# Altium PCB tesis.PcbDoc (part 2 of 3) (continued)
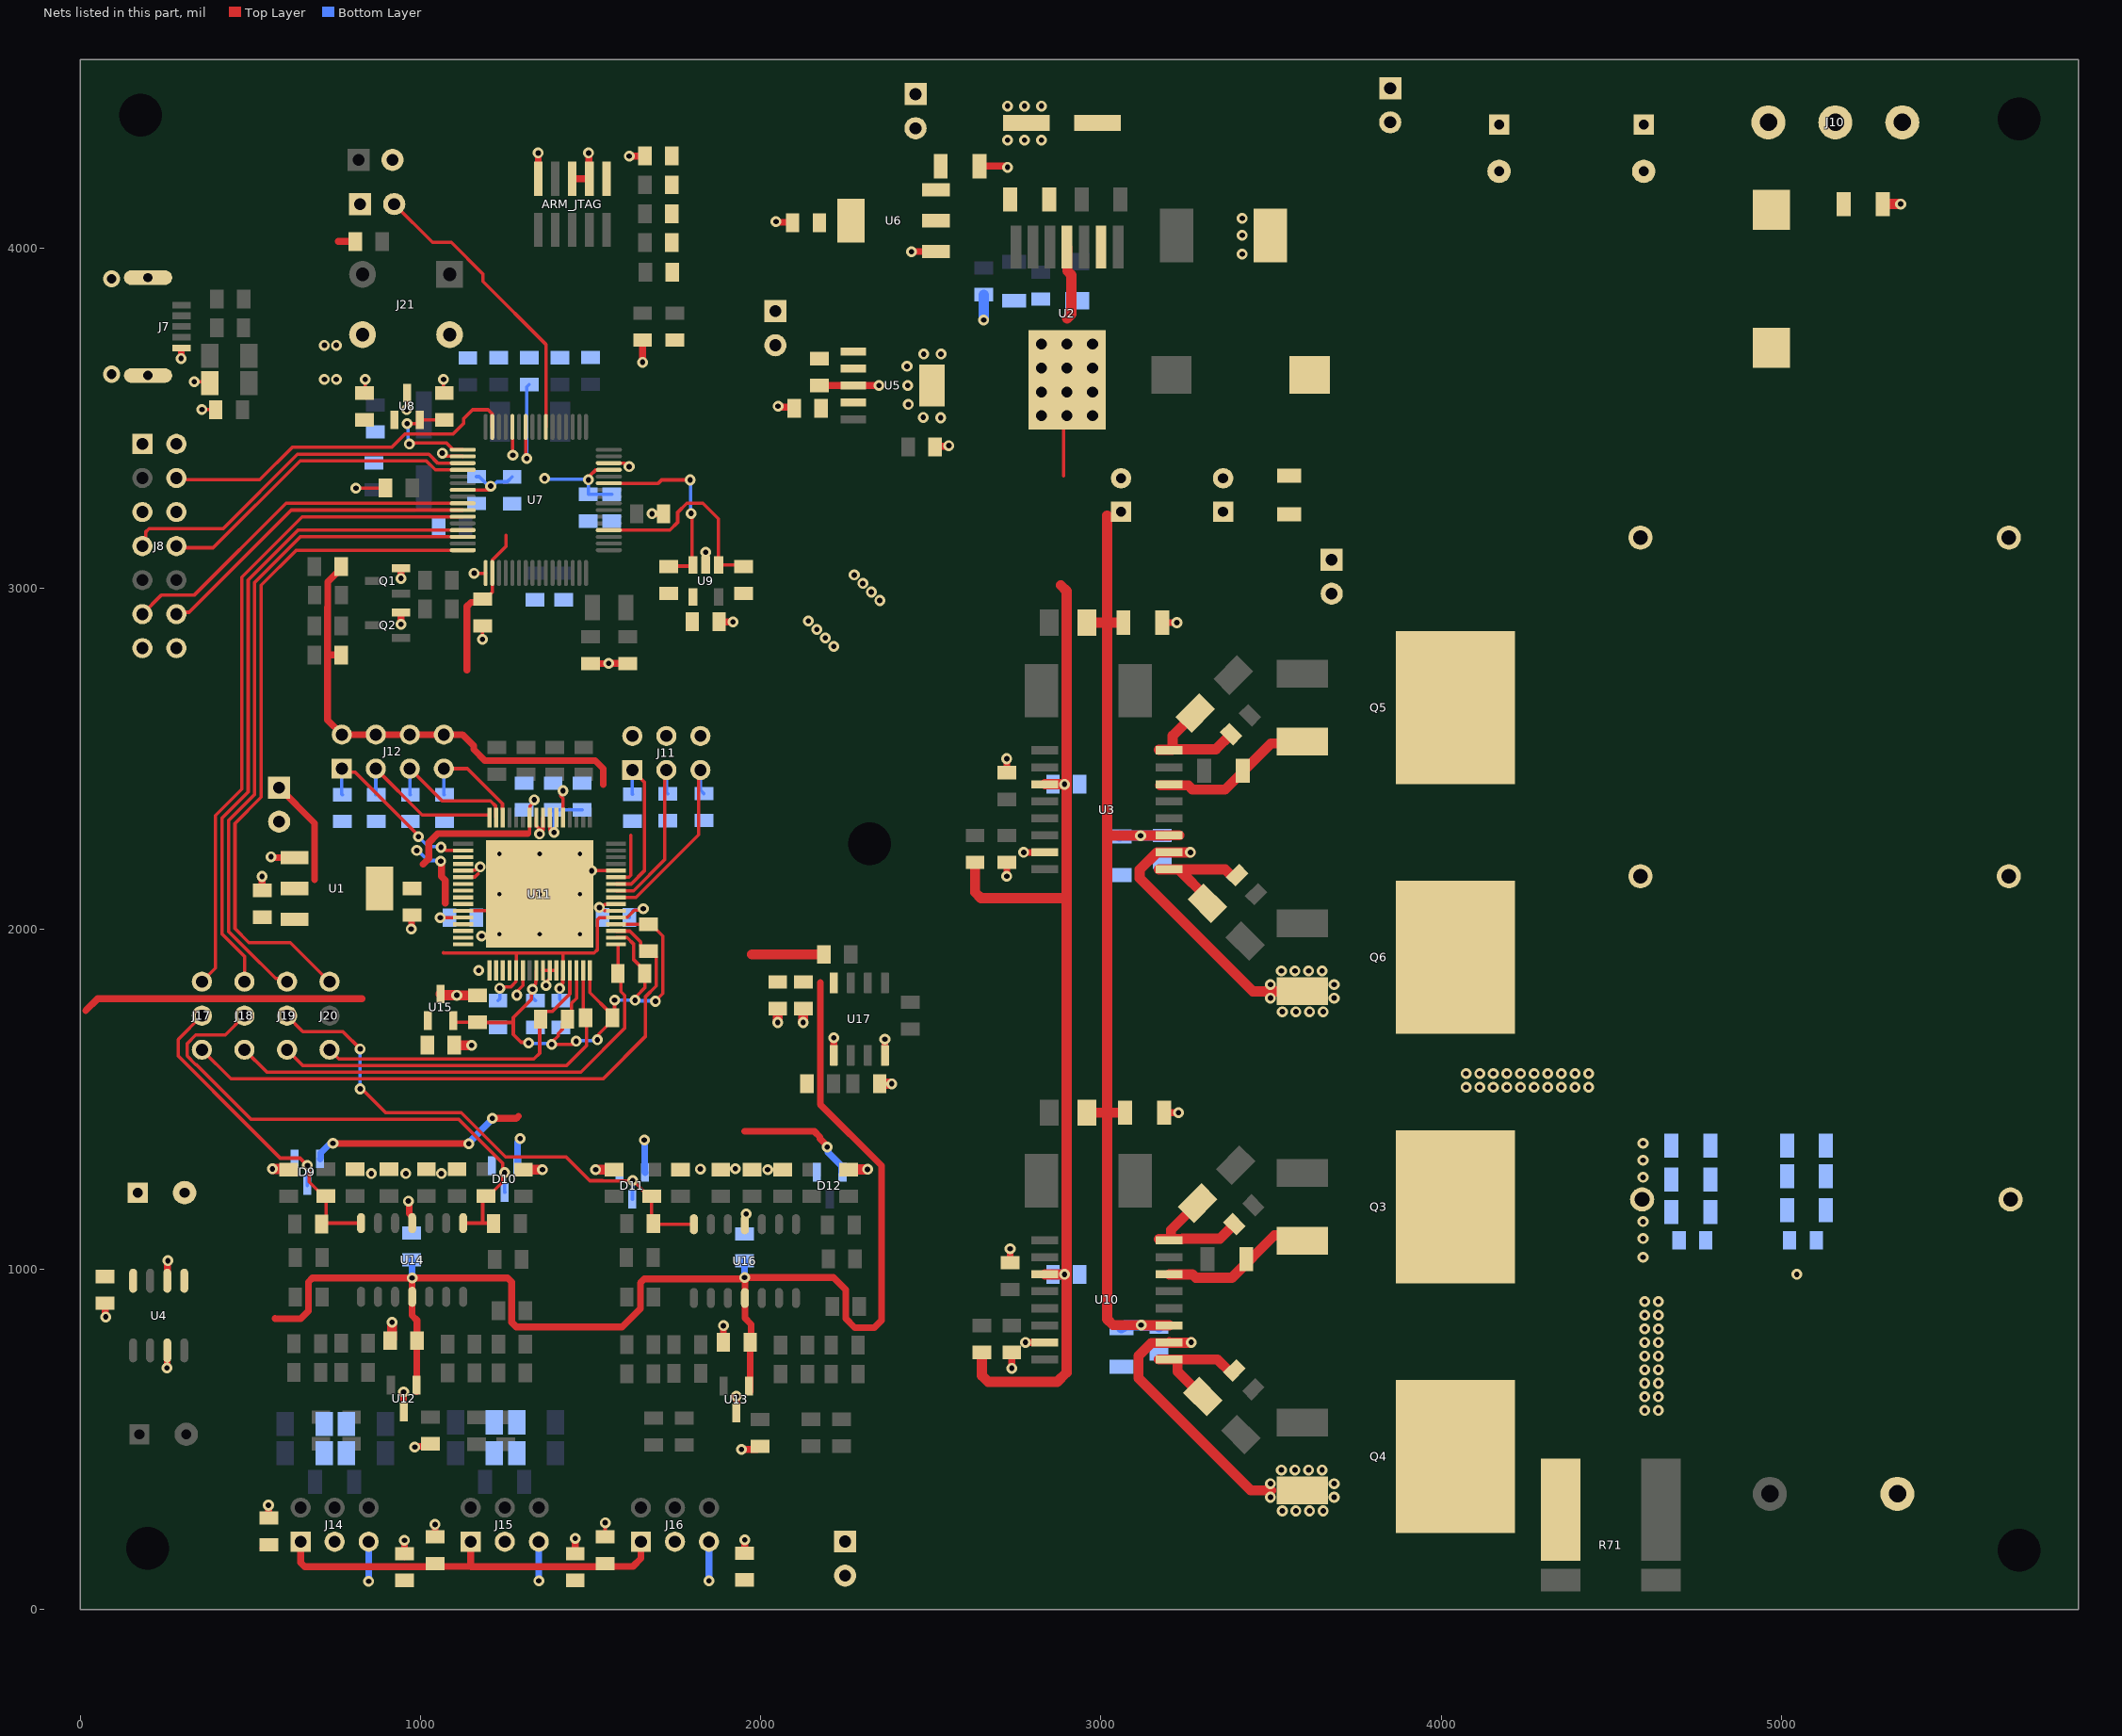
[diagram p2: the nets of this part, all layers, seen from the top]
## Part data (continued)
U2: library part IC_LM22673TJ-ADJ, "3A SIMPLE SWITCHER® Step-Down Voltage Regulator with Adjustable Soft-Start and Current Limit, 7-pin TO-263 Thin", Digikey Part Number=LM22673TJ-ADJ/NOPBCT-ND, Manufacturer Part Number=LM22673TJ-ADJ/NOPB, Mouser Part Number=926-LM22673TJADJNOPB
U3 U10: library part IC_IRS2110SPBF, "IC,Dual MOSFET Driver,CMOS,SOP,16PIN,PLASTIC", Case/Package=SOIC, Manufacturer="International Rectifier", Max Operating Temperature=125°C, Max Output Current=2.5A, Max Power Dissipation=1.25W, Max Supply Current=340uA, Max Supply Voltage=20V, Min Operating Temperature=-40°C, Min Supply Voltage=10V, Package Quantity=45, Supplier Part Number 1=IRS2110SPBF-ND, Category=MOSFETs, ComponentLink1Description=https://datasheet.ciiva.com/16298/irs2110-16298887.pdf?src-supplier=Future+Electronics, ComponentLink1URL=https://datasheet.ciiva.com/16298/irs2110-16298887.pdf?src-supplier=Future+Electronics, ComponentLink2Description=https://datasheet.ciiva.com/1950/irs2110-1950490.pdf?src-supplier=Digi-Key, ComponentLink2URL=https://datasheet.ciiva.com/1950/irs2110-1950490.pdf?src-supplier=Digi-Key, ComponentLink3Description=https://datasheet.ciiva.com/1499/57913-1499806.pdf?src-supplier=Element14, ComponentLink3URL=https://datasheet.ciiva.com/1499/57913-1499806.pdf?src-supplier=Element14, Fall Time=25ns, Height=2.35mm, Lead Free="Lead Free", Length=10.5mm, Manufacturer Part Number=IRS2110SPBF, Mount="Surface Mount", Nominal Supply Current=340uA, Number of Drivers=2, Number of Outputs=2, Number of Pins=16, Output Current=2.5A, Packaging=Rail/Tube, Power Dissipation=1.25W, Pricing 1="1=2,65000, 10=2,38300, 25=2,24800, 100=1,79840, 250=1,57360, 500=1,52864, 1000=1,21392, 2500=1,16896, 5000=1,12400 (USD)", Propagation Delay=160ns, Radiation Hardening=No, REACH SVHC="No SVHC", Release Time=120ns, Rise Time=35ns, RoHS=Yes, Stock 1=7235, Supplier 1=Digi-Key, Turn-Off Delay Time=10ns, Turn-On Delay Time=10ns, Width=7.6mm
U4: library part IC_LM2660MX/NOPB_1, "IC REG SWTCHD CAP INV 0.1A 8SOIC", Digikey Part Number=LM2660MX/NOPBCT-ND, Manufacturer Part Number=LM2660MX/NOPB, Mouser Part Number=926-LM2660MX/NOPB
U5: library part IC_TPS79533DCQR_TI, "IC REG LIN 3.3V 500MA SOT223-6", Digikey Part Number=296-13810-1-ND, Manufacturer Part Number=595-TPS79533DCQR, Mouser Part Number=TPS79533DCQR
U6: library part IC_LM1117MP-5.0/NOPB, "IC REG LDO 5V .8A SOT-223-4", Case/Package=SOT-223, Current Rating=800A, Dropout Voltage=1.2V, Manufacturer="TI National Semiconductor", Max Input Voltage=15V, Max Operating Temperature=125°C, Max Output Current=800mA, Max Supply Current=10mA, Max Supply Voltage=12V, Min Input Voltage=2.6V, Min Operating Temperature=0°C, Nominal Output Voltage=5V, Output Voltage Accuracy=1%, Package Quantity=1000, Power Supply Rejection Ratio (PSRR)=75dB, Quiescent Current=5mA, Supplier Part Number 1=LM1117MP-5.0/NOPBCT-ND, Accuracy=1%, Category="Voltage Regulators - Linear", Contact Plating=Tin,Matte, Height=1.6mm, Lead Free="Lead Free", Length=6.5mm, Manufacturer Part Number=LM1117MP-5.0/NOPB, Min Current Limit=800mA, Mount="Surface Mount", Number of Outputs=1, Number of Pins=4, Number of Regulators=1, Output Configuration=Positive, Output Current=800mA, Output Type=Fixed, Output Voltage=5V, Packaging="Tape and Reel", Polarity=Positive, Pricing 1="1=1,17000, 10=1,04400, 25=0,99120, 100=0,76120, 250=0,67268, 500=0,63728 (USD)", Radiation Hardening=No, REACH SVHC="No SVHC", RoHS=Yes, RoHS Compliant=Yes, Series=-, Stock 1=1093, Supplier 1=Digi-Key, Width=3.56mm
U7: library part IC_ATSAM4S8BA-AU_ATMEL, "IC MCU 32BIT 512KB FLASH 64LQFP", Digikey Part Number=ATSAM4S8BA-AU-ND, Manufacturer=Atmel, Manufacturer Part Number=ATSAM4S8BA-AU, Mouser Part Number=556-ATSAM4S8BA-AU
U8: library part IC_ISL21010_3V0_INTERSIL, "IC VREF SERIES 3V SOT23-3", Digikey Part Number=ISL21010CFH330Z-TKCT-ND, Manufacturer Part Number=ISL21010CFH330Z-TK, Mouser Part Number=968-ISL21010CFH330ZT
U9: library part IC_FT24C04A-KLR-T, Case/Package=SOT-23-5, Frequency=1MHz, Manufacturer="Fremont Micro Devices", Max Operating Temperature=85°C, Min Operating Temperature=-40°C, Supplier Part Number 1=1219-1227-2-ND, Access Time=550ns, Category=Memory, ComponentLink1Description=https://img1.wsimg.com/blobby/go/d0f1813f-418c-4780-8b0e-f456f226885c/downloads/1bs92tefg_846599.pdf?src-supplier=Digi-Key, ComponentLink1URL=https://img1.wsimg.com/blobby/go/d0f1813f-418c-4780-8b0e-f456f226885c/downloads/1bs92tefg_846599.pdf?src-supplier=Digi-Key, Manufacturer Part Number=FT24C04A-KLR-T, Memory Size=4Kb, Memory Type=Non-Volatile,EEPROM, Mount="Surface Mount", Pricing 1="3000=0,14616 (USD)", RoHS=No, Stock 1=3000, Supplier 1=Digi-Key
U11: library part IC_ADS1174IPAPT, "Quad, Simultaneous Sampling, 16-Bit Analog-to-Digital Converter 64-HTQFP -40 to 85", Package="HTQFP-64 Texas Instruments", Check_prices=https://www.snapeda.com/parts/ADS1174IPAPT/Texas%20Instruments/view-part/2772521/?ref=eda, Digi-Key_Part_Number=296-22951-1-ND, MF="Texas Instruments", MP=ADS1174IPAPT, Purchase-URL=https://pricing.snapeda.com/search/part/ADS1174IPAPT/?ref=eda, SnapEDA_Link=https://www.snapeda.com/parts/ADS1174IPAPT/Texas%20Instruments/view-part/2772521/?ref=snap
U12 U13 U15: library part IC_ISL21080CIH315Z-TK_INTERSIL, "IC VREF SERIES 1.5V SOT23-3", Digikey Part Number=ISL21080CIH315Z-TKCT-ND, Manufacturer Part Number=ISL21080CIH315Z-TK, Mouser Part Number=968-ISL21080CIH315ZT
U14 U16: "IC OPAMP GP 2.8MHZ RRO 14SOIC", Digikey Part Number=296-2442-1-ND, Manufacturer="Texas Instrument", Manufacturer Part Number=TLV2474CDR, Mouser Part Number=595-TLV2474CDR
U17: library part IC_LM311D, "Comparator Single 15V/30V 8-Pin SOIC Tube", Case/Package=SOIC, Dual Supply Voltage=9V, Input Bias Current=250nA, Input Offset Voltage (Vos)=7.5mV, Manufacturer="Texas Instruments", Max Dual Supply Voltage=15V, Max Operating Temperature=70°C, Max Supply Current=7.5mA, Max Supply Voltage=30V, Min Dual Supply Voltage=1.75V, Min Operating Temperature=0°C, Min Supply Voltage=3.5V, Operating Supply Voltage=28V, Output Current=50mA, Package Quantity=75, Supplier Part Number 1=296-1388-5-ND, Voltage Gain=106.02dB, Category="Amplifiers - Op Amps, Buffer, Instrumentation", Height=1.58mm, Lead Free="Lead Free", Length=4.9mm, Manufacturer Part Number=LM311D, Max Input Current=250nA, Mount="Surface Mount", Nominal Supply Current=7.5mA, Number of Channels=1, Number of Elements=1, Number of Pins=8, Output Current per Channel=50mA, Output Type=TTL, Packaging=Rail/Tube, Quiescent Current=7.5mA, Radiation Hardening=No, REACH SVHC="No SVHC", Response Time=165ns, RoHS Compliant=Yes, Supplier 1=Digi-Key, Termination=SMD/SMT, Type="General Purpose", Weight=0.002561oz, Width=3.91mm
Y1: "12 MHz ±30 ppm Cristales 20 pF 60 Ohm -10°C ~ 70°C Montaje en superficie HC49/US", Digikey Part Number=XC1770DKR-ND, Manufacturer="ECS Inc.", Manufacturer Part Number=ECS-120-20-3X-TR, Mouser Part Number=520-120-20-3XT
Y2: "CRYSTAL 32.7680KHZ 12.5PF SMD", Digikey Part Number=XC1967CT-ND, Manufacturer=ECS, Manufacturer Part Number=ECS-.327-12.5-34S-TR, Mouser Part Number=520-ECS32.7-12.534ST

## Via types
v1: diameter 32, hole 16, Top Layer to Bottom Layer, tented both sides, 257 vias
v2: diameter 55, hole 32, Top Layer to Bottom Layer, 12 vias
v3: diameter 32, hole 16, Top Layer to Bottom Layer, 9 vias
v4: diameter 26, hole 13, Top Layer to Bottom Layer, 9 vias
v5: diameter 32, hole 16, Top Layer to Bottom Layer, tented top, 3 vias
v6: diameter 50, hole 28, Top Layer to Bottom Layer, 2 vias

## Nets (pads, with @x,y where several pads share a name; then routed paths per layer and width w, separated by ;. In a path a pad name is that pad's centre, name@x,y a point inside that pad or via, vN(x,y) a via of type N, cw(c..) or ccw(c..) an arc to the next point about the centre after c; other vN are vias at no path point)
+1v8: C73.2 C102.1 J3.1 U1.2 U1.4 U11.26 | length 768.5
  Top Layer w10: 1318,2280 1320.37,2282.37 1320.37,2326.23 U11.26@1320.98,2326.84 ; U11.26@1320.98,2350.46 1321.88,2351.36 1321.88,2360.74 1334.55,2373.41 v1(1334.55,2379.36)
  Top Layer w20: J3.1@585,2415 689.35,2310.65 689.35,2144.35 ; 1008,2190 1024.46,2206.46 1024.46,2253.22 1051.24,2280 1315.37,2280
+3v3: ARM_JTAG.1 C14.2 C22.1 C31.1 C33.1 C37.2 C38.2 C40.2 C41.2 C42.2 C43.2 C56.1 C71.2 C72.2 C104.1 D9.2 D10.2 D11.2 D12.2 ERASE.1 J5.1 J8.1 J8.2 J11.2 J11.4 J11.6 J12.2 J12.4 J12.6 J12.8 R4.2 R7.2 R8.2 R9.2 R10.2 R11.2 R12.2 R13.2 R22.2 R23.2 R24.2 R80.2 R94.2 R95.2 U3.11 U5.4 U7.7 U7.18 U7.45 U7.58 U8.1 U9.4 U10.11 U11.11 U11.22 U11.23 U11.39 U11.40 U11.41 U11.42 | length 7983.9
  Top Layer w10: U7.7@1124.6,3289.94 1206.59,3289.94 v1(1206.59,3301.18) ; C42.2@1190.87,2969.37 1211.21,2989.71 U7.18@1211.21,3045.85 ; U7.18@1211.21,3046.2 1211.56,3046.54 1211.56,3084.31 1251.59,3124.34 1251.59,3156.18 ; U7.58@1309.64,3474.98 1309.98,3474.64 1309.98,3384.79 v1(1312.59,3382.18) ; U11.23@1380.03,2320.88 1380.94,2319.97 1380.94,2290.38 1387.89,2283.43 v1(1393,2283.43) ; v1(1494.07,3319.47) 1498.28,3323.68 1498.28,3331.67 1515.27,3348.65 1553.38,3348.65 U7.45@1553.73,3349 ; U11.11@1574.91,2151.64 1612.14,2151.64 1618,2157.5 1618,2275
  Top Layer w20: v1(743,1370) 743.51,1369.49 1141.47,1369.49 v1(1141.98,1368.98) ; 758,4020 R22.2@808.63,4020 ; R9.2@767.37,2805 727.32,2805 ; R8.2@767.37,3065 767.37,3057.13 757.69,3047.44 755.7,3047.44 727.8,3019.54 727.8,2945.55 727.32,2945.07 727.32,2805 ; v1(1059.72,2198.84) 1062.01,2196.54 1062.01,2153.82 1073,2142.84 1073,2075 ; 1136.44,2760 1136.44,2947.97 1148.16,2959.69 1173.32,2959.69 C42.2@1183,2969.37 C42.2@1190.87,2969.37 ; v1(1211.71,1443.71) 1281.71,1443.71 1288,1450 ; 1537.57,2424.57 1537.57,2471.18 1514.18,2494.57 1189.57,2494.57 1156.46,2527.68 1156.46,2537.89 1123.35,2571 J12.6@969,2571 J12.4@869,2571 J12.2@769,2571 769,2571.82 727.32,2613.5 727.32,2805 ; 1953,1405 2157.97,1405 2174.25,1388.73 2174.25,1383.77 2195.6,1362.42 v1(2195.6,1359.17)
  Top Layer w30: 1975,1925 R7.2@2185.63,1925 ; R95.2@2630,2195.63 2630,2107.57 2647.57,2090 2899.44,2090 ; R94.2@2650,755.63 2650,687.57 2668.57,669 2871.43,669 2898.69,696.27 v1@2898.69,991.55 ; U10.11@2835.32,985 v1(2892.69,985) 2892.69,985.54 v1@2898.69,991.55 ; U3.11@2835.32,2425 v1(2892.69,2425) ; 2881.87,3010 2899.44,2992.43 2899.44,2090 ; v1@2898.69,991.55 2899.44,992.3 2899.44,2090
  Bottom Layer w10: v1(989.36,2230.3) 992.76,2230.3 1021.93,2201.13 1057.42,2201.13 v1(1059.72,2198.84) ; C37.2@1164.6,3329 1172.47,3329 1196.08,3305.39 1202.38,3305.39 v1(1206.59,3301.18) 1212.54,3301.18 1225.05,3313.69 1254.91,3313.69 C40.2@1269.6,3328.37 ; v1(1312.59,3382.18) 1312.59,3592.62 C43.2@1319.6,3599.63 ; v1(1365.36,3323.79) 1367.52,3321.63 1487.8,3321.63 v1@1492.43,3317 ; C72.2@1386.65,2349.63 1393,2343.28 v1(1393,2283.43) ; C72.2@1390,2349.63 C71.2@1475,2349.63 ; v1(1494.07,3319.47) 1494.07,3277.48 C38.2@1493.6,3277 C41.2@1562.6,3277
  Bottom Layer w20: D9.2@705.4,1324.37 707.21,1326.18 707.21,1341.87 733.05,1367.7 740.7,1367.7 v1(743,1370) ; v1(1141.98,1368.98) 1141.98,1371.48 1211.71,1441.21 v1(1211.71,1443.71) ; D10.2@1285.4,1304.37 1285.4,1372.79 1293,1380.39 v1(1293,1383.64) ; v1(1658,1380) 1659.2,1378.8 1659.2,1285.57 D11.2@1660.4,1284.37 ; v1(2195.6,1359.17) 2197.89,1356.87 2197.89,1343.42 2238.59,1302.73 2238.59,1287.04 D12.2@2240.4,1285.23
  Bottom Layer w30: C104.1@2858.63,985 v1(2892.69,985) ; C56.1@2858.63,2425 v1(2892.69,2425)
  other v1: 2215,2830 2190,2855 2165,2880 2140,2905 2350,2965 2325,2990 2300,3015 2275,3040 718,3615 753,3615 718,3715 753,3715
+5v: C8.1 C11.1 C12.1 C13.1 C21.1 C25.1 C26.1 C27.2 C28.2 C65.1 C66.2 C67.2 C68.2 C81.1 C82.1 C87.1 C97.1 C98.1 J6.1 J14.1 J15.1 J16.1 U1.3 U4.8 U5.1 U5.2 U6.2 U6.4 U11.5 U11.44 U11.53 U11.60 U12.1 U13.1 U14.4 U15.1 U16.4 U17.8 | length 7586.8
  Top Layer w10: v1@1058,2033.18 v1(1058.18,2033.18) 1126.09,2033.18 U11.44@1126.09,2033.53 ; 1068,1930 1068,1929 1419.4,1929 ; v1(1233.13,1825.71) 1237.34,1829.92 1266.23,1829.92 1280.7,1844.39 1280.7,1877.11 U11.53@1281.61,1878.02 1281.61,1925.82 ; v1(1409.09,1825) 1409.09,1830.95 1418.5,1840.36 1418.5,1853.49 1419.4,1854.39 1419.4,1926.83 1420,1927.43 ; v1(1655,2059) 1650.79,2054.79 1628.89,2054.79 1608.54,2034.43 1599.44,2034.43 1598.54,2033.53 U11.5@1574.91,2033.53 1574.29,2032.9 1526.36,2032.9 1520.5,2027.04 1520.5,1939.46 1510.05,1929 1419.4,1929 ; 1419.4,1929 1281.61,1929 1419.4,1929
  Top Layer w20: 16.53,1760 51.53,1795 828,1795 ; C26.1@537.44,180.94 547.13,190.63 C26.1@555,190.63 ; 573,855 573.56,854.44 648,854.44 670.96,877.41 670.96,962.41 683,974.44 v1(975.66,974.44) ; J14.1@648,199.44 648,137.4 659.72,125.69 1033.61,125.69 C12.1@1043,135.07 ; U12.1@989.05,640 989.05,789.33 C81.1@990.03,790.31 990.03,849.97 975.66,864.34 U14.4@975.66,919.04 v1(975.66,974.44) ; C87.1@1020.63,1659 C87.1@1021.27,1659.64 ; U15.1@1021.27,1729.53 U15.1@1021.91,1730.16 ; C12.1@1039.31,130.69 1043,127 1148,127 ; J15.1@1148,199.44 1148,127 ; J16.1@1648,199.44 1648,150 1625,127 1543,127 1541.69,125.68 1149.31,125.68 1148,127 ; v1@1952.66,971.44 1658.06,971.44 1646.35,959.73 1646.35,883.88 1592.91,830.44 1282.26,830.44 1268.32,844.38 1268.32,962.73 1256.6,974.44 v1(975.66,974.44) ; v1(1952.66,975.78) v1@1953.66,975.78 ; U13.1@1969.37,640 C82.1@1969.37,785 1971.74,787.37 1971.74,838.26 1953.66,856.34 U16.4@1953.66,915.67 v1@1953.66,975.78 ; C27.2@2050,1844.37 C27.2@2051.54,1842.83 ; 2175,1842.83 2175,1484.34 2355,1304.34 2355,850 2333.5,828.5 2276.5,828.5 2250,855 2250,927.4 ; U17.8@2213.46,1842.83 U17.8@2215,1841.3 ; 2250.22,931.6 2250.22,939.78 2214.22,975.78 v1@1953.66,975.78
  Bottom Layer w10: v1(1058.18,2033.18) 1085.54,2033.18 C68.2@1085.54,2033.02 ; C65.1@1228,1789.37 1233.13,1794.5 v1(1233.13,1825.71) ; v1(1409.09,1825) 1409.09,1793.28 C67.2@1413,1789.37 ; C66.2@1614.28,2033.53 1614.28,2041.4 1628.97,2056.09 1652.09,2056.09 v1(1655,2059)
  Bottom Layer w20: C97.1@974.66,1027.94 975.16,1027.44 975.16,974.94 v1(975.66,974.44) ; v1(1952.66,975.78) C98.1@1952.66,1024.57
  other v6: 93,3630 93,3910
+12v: C5.1 C6.1 C7.1 C24.1 C54.2 C55.2 C99.2 C103.2 C106.1 C108.1 J2.1 L1.2 R1.1 R5.2 R6.2 U3.3 U6.3 U10.3 | length 3302.9
  Top Layer w30: R5.2@2958.12,1460 3018,1460 ; R6.2@2958.12,2900 3018,2900 ; 3018,3215 3018,2900 ; C55.2@3065.91,2900 3018,2900 ; C103.2@3070.91,1460 3018,1460 ; v1(3118.16,836.05) v1@3118.71,836.05 ; U10.3@3200.68,835 3200.53,834.86 3119.9,834.86 v1@3118.71,836.05 ; U3.3@3230,2275 U3.3@3200.68,2275 3199.97,2274.29 3116.81,2274.29 v1(3116.43,2273.91) 3116.23,2274.1 3018,2274.1 ; 3018,1460 3018,2274.1 ; 3018,1460 3018,853.63 3035.57,836.05 v1@3118.71,836.05 ; 3018,2274.1 3018,2900
  Bottom Layer w30: v3(2655.24,3789.24) R1.1@2655.24,3863.63 ; C54.2@3055,2272.09 3057.21,2274.29 3116.04,2274.29 v1(3116.43,2273.91) 3116.65,2274.14 3179.77,2274.14 C108.1@3180,2274.37 ; C99.2@3060,827.09 C99.2@3064.35,831.44 ; C99.2@3065,829.26 3071.41,835.67 3117.78,835.67 v1(3118.16,836.05) 3118.71,836.05 3120.7,834.06 3165.31,834.06 C106.1@3170,829.37
+24v: C2.1 C3.1 C9.1 C10.1 C20.1 J1.1 J10.3 L4.1 U2.2
+24v_mosfet: C57.1 C58.1 C59.1 C60.1 C61.1 C62.1 L4.2 Q3.2 Q5.2 R25.2
  other v1: 4593,1035 4593,1090 4593,1140 4593,1270 4593,1320 4593,1370
-5v: C16.2 C17.1 C18.1 C19.1 J4.1 J14.5 J15.5 J16.5 U4.5 | length 346.3
  Bottom Layer w20: v1(848,83.13) J14.5@848,199.44 ; v1(1348,84.44) J15.5@1348,199.44 ; v1(1848,84.44) J16.5@1848,199.44
AD0: J8.11 U7.9 | length 1076.5
  Top Layer w10: J8.11@183,2925 239.47,2981.47 336.34,2981.47 605.44,3250.57 U7.9@1124.6,3250.57
AD1: J8.12 U7.10 | length 968.3
  Top Layer w10: J8.12@283,2925 288.49,2930.49 320.49,2930.49 620.89,3230.89 U7.10@1124.6,3230.89
AD2: J18.1 U7.13 | length 1930.9
  Top Layer w10: J18.1@483,1845 483,1919.12 417,1985.12 417,2325.74 494,2402.74 494,3025.39 640.44,3171.83 U7.13@1124.6,3171.83
AD3: J20.1 U7.16 | length 2018.6
  Top Layer w10: J20.1@733,1845 618,1960 495.86,1960 455,2000.86 455,2310 532,2387 532,3009.65 635.13,3112.78 U7.16@1124.6,3112.78
AD4: J8.7 U7.3 | length 1083.2
  Top Layer w10: J8.7@183,3125 192.39,3134.39 192.39,3165.94 202.92,3176.47 420.61,3176.47 638.88,3394.74 1025.05,3394.74 1051.79,3368 1076.64,3368 1076.98,3368.34 1124.25,3368.34 U7.3@1124.6,3368.68
AD5: J8.8 U7.4 | length 960.7
  Top Layer w10: J8.8@283,3125 288,3120 391.01,3120 646.75,3375.74 1017.18,3375.74 1043.92,3349 U7.4@1124.6,3349
AD8: J17.1 U7.11 | length 1960
  Top Layer w10: J17.1@358,1845 398,1885 398,2333.61 475,2410.61 475,3033.26 652.26,3210.52 1090.15,3210.52 1090.49,3210.86 1124.25,3210.86 U7.11@1124.6,3211.2
AD9: J19.1 U7.14 | length 1957.1
  Top Layer w10: J19.1@608,1845 598.61,1854.39 574.6,1854.39 487.99,1941 436,1992.99 436,2317.87 513,2394.87 513,3017.52 647.63,3152.15 U7.14@1124.6,3152.15
ADC_CLKDIV: J11.1 R76.2 U11.10 | length 481.5
  Top Layer w10: U11.10@1574.91,2131.95 1575.03,2132.07 1619.44,2132.07 1658,2170.63 1658,2431.85 J11.1@1622.91,2466.95
  Bottom Layer w10: J11.1@1622.91,2466.95 1622.91,2396.28 R76.2@1623.5,2395.69
ADC_FORMAT0: J12.3 R73.2 U11.32 | length 468.3
  Top Layer w10: J12.3@869,2471 1005.29,2334.71 U11.32@1202.65,2334.71
  Bottom Layer w10: J12.3@869,2471 869,2394.43 R73.2@870.65,2394.43
ADC_FORMAT1: J12.5 R74.2 U11.31 | length 410.7
  Top Layer w10: J12.5@969,2471 1063.96,2376.04 1206.07,2376.04 1221.65,2360.46 1221.65,2327.74 U11.31@1222.55,2326.84
  Bottom Layer w10: J12.5@969,2471 969,2394.43 R74.2@970.65,2394.43
ADC_FORMAT2: J12.7 R75.2 U11.30 | length 334.6
  Top Layer w10: J12.7@1069,2471 1137.97,2471 1241.33,2367.64 1241.33,2351.36 1242.24,2350.46 U11.30@1242.24,2326.84
  Bottom Layer w10: J12.7@1069,2471 1069,2394.43 R75.2@1070.65,2394.43
ADC_INP1: C63.2 J17.3 U11.3 | length 1794.7
  Top Layer w10: J17.3@358,1645 443,1560 1537.27,1560 1660.7,1683.44 1660.7,1799.72 1693.06,1832.08 1693.06,1902.36 1692.56,1902.85 1692.56,1919.95 1677.87,1934.63 1662.13,1934.63 1647.44,1949.32 1647.44,1961.53 1615.5,1993.47 1575.6,1993.47 U11.3@1574.91,1994.16
ADC_INP2: C69.2 J18.3 U11.1 | length 1449.5
  Top Layer w10: J18.3@483,1645 549,1579 1471.41,1579 1600.7,1708.29 1600.7,1804.72 1589.34,1816.08 1589.34,1852.41 1580.63,1861.13 U11.1@1580.63,1950.85
ADC_INP3: C70.2 J19.3 U11.63 | length 1148.9
  Top Layer w10: J19.3@608,1645 655,1598 1429,1598 1488,1657 1488,1736.63 1478.46,1746.17 U11.63@1478.46,1878.02
ADC_INP4: C74.2 J20.3 U11.61 | length 927.7
  Top Layer w10: J20.3@733,1645 760.56,1617.44 1333.44,1617.44 1350.63,1634.63 1350.63,1732 C74.2@1353.63,1735 1353.63,1742.87 1368.32,1757.56 1387.89,1757.56 1439.09,1808.76 U11.61@1439.09,1878.02
ADC_MODE: J12.1 R72.2 U11.34 | length 536.1
  Top Layer w10: J12.1@769,2471 778.88,2461.12 807.67,2461.12 994.31,2274.48 v1(994.31,2271) ; v1(1060.56,2239.83) 1066.52,2239.83 1075.97,2230.38 U11.34@1126.09,2230.38
  Bottom Layer w10: J12.1@769,2471 769,2396.08 R72.2@770.65,2394.43 ; v1(994.31,2271) 1023.61,2241.7 1058.69,2241.7 v1(1060.56,2239.83)
ADC_REF: C63.1 C64.1 C69.1 C70.1 C74.1 C85.1 U11.2 U11.4 U11.56 U11.62 U11.64 U15.2 | length 1962.2
  Top Layer w10: U15.2@1096.71,1730.16 1101.08,1725.79 C85.1@1167.91,1725.79 1168.7,1725 1273,1725 ; v1(1318,1665) 1316.08,1666.92 1296.08,1666.92 1273,1690 1273,1725 ; v1(1329.54,1822.83) 1326.46,1819.75 1326.46,1793.14 1273,1739.68 1273,1725 ; v1@1329.85,1828.98 1329.85,1829.1 1339.04,1838.29 1339.04,1846.24 1339.76,1846.95 1339.76,1877.11 U11.56@1340.66,1878.02 ; v1(1458,1670) 1457.05,1670 1448.05,1661 v1(1386,1661) 1386,1666.88 1404.98,1685.86 1404.98,1692.93 1417.69,1705.64 1417.69,1720.32 1444.06,1746.69 1444.06,1781.56 1458.77,1796.28 U11.62@1458.77,1878.02 ; U11.64@1498.14,1878.02 1498.14,1813.1 1558.37,1752.87 1558.37,1745 C70.1@1564.37,1739 1564.37,1731.13 1524.21,1690.97 1524.21,1678.21 v1(1520,1674) ; C70.1@1559,1745.63 1572.5,1759.13 1570.7,1760.93 v1(1570.7,1790.5) ; U11.2@1574.91,1974.47 1607.63,1974.47 1627.05,1955.06 1627.05,1909.2 1659.37,1876.87 1659.37,1826.44 1634.91,1801.98 1634.91,1794.46 v1(1630.7,1790.25) ; U11.4@1574.91,2013.84 C63.1@1669.53,2013.84 ; C63.1@1670,2013.37 C63.1@1669.53,2013.84 ; v1(1690.7,1787.3) 1690.7,1788.43 1712.06,1809.79 1712.06,1979.19 1677.4,2013.84 C63.1@1669.53,2013.84
  Bottom Layer w10: v1(1318,1665) 1320,1663 1384,1663 v1(1386,1661) ; v1(1329.54,1822.83) 1329.54,1797.83 C64.1@1338,1789.37 ; v1(1458,1670) 1460,1672 1518,1672 v1(1520,1674) ; v1(1570.7,1790.5) 1570.83,1790.38 1630.58,1790.38 1632.18,1788.78 1689.22,1788.78 v1(1690.7,1787.3)
ADC_TEST0: J11.5 R78.2 U11.8 | length 585.1
  Top Layer w10: U11.8@1574.91,2092.58 1633.7,2092.58 1817.91,2276.79 1817.91,2461.95 J11.5@1822.91,2466.95
  Bottom Layer w10: J11.5@1822.91,2466.95 1822.91,2407.89 R78.2@1833.14,2397.65
ADC_TEST1: J11.3 R77.2 U11.9 | length 518.1
  Top Layer w10: U11.9@1574.91,2112.27 1626.51,2112.27 1717.91,2203.66 1717.91,2461.95 J11.3@1722.91,2466.95
  Bottom Layer w10: J11.3@1722.91,2466.95 1722.91,2400.61 R77.2@1726.84,2396.67
ADVREF: C34.1 U7.1 U8.2 | length 366.4
  Top Layer w10: v1(960.98,3484.74) 990.99,3484.74 990.99,3475 997.8,3481.81 U8.2@997.8,3495.94 C34.1@1070.4,3495.95 ; v1(967.55,3424.74) 970.81,3428 1076.64,3428 1094.22,3410.43 1094.22,3408.89 1095.05,3408.05 U7.1@1124.6,3408.05
  Bottom Layer w10: v1(960.98,3484.74) 964.26,3481.45 964.26,3428.03 v1(967.55,3424.74)
AGND: ARM_JTAG.3 ARM_JTAG.5 ARM_JTAG.9 C2.2 C3.2 C4.2 C5.2 C6.2 C7.2 C8.2 C9.2 C10.2 C11.2 C12.2 C13.2 C14.1 C16.1 C17.2 C18.2 C19.2 C20.2 C21.2 C22.2 C23.2 C24.2 C25.2 C26.2 C27.1 C28.1 C31.2 C32.2 C33.2 C34.2 C35.1 C36.1 C37.1 C38.1 C39.2 C40.1 C41.1 C42.1 C43.1 C44.2 C45.1 C46.2 C47.2 C48.2 C49.2 C50.1 C51.2 C54.1 C55.1 C56.2 C60.2 C61.2 C62.2 C64.2 C65.2 C66.1 C67.1 C68.1 C71.1 C72.1 C73.1 C77.1 C79.2 C80.2 C81.2 C82.2 C85.2 C86.1 C87.2 C91.1 C95.1 C97.2 C98.2 C99.1 C100.2 C101.2 C102.2 C103.1 C104.2 C105.2 C106.2 C108.2 D1.2 D2.1 D9.1 D10.1 D11.1 D12.1 J1.2 J2.2 J3.2 J4.2 J5.2 J6.2 J7.5 J7.MH1 J7.MH2 J8.5 J8.6 J8.13 J8.14 J10.2 J14.3 J15.3 J16.3 J21.3 J21.4 Q1.2 Q2.2 Q4.3 Q6.3 R2.1 R3.1 R17.2 R20.1 R21.1 R27.1 R28.1 R29.1 R40.1 R41.1 R49.1 R50.1 R58.1 R59.1 R67.1 R68.1 R72.1 R73.1 R74.1 R75.1 R76.1 R77.1 R78.1 R81.1 R82.1 R85.1 R86.2 R87.2 R88.1 R89.1 R90.2 R91.2 R92.1 R93.1 RESET.2 U1.1 U2.4 U2.8 U3.2 U3.15 U4.3 U4.6 U5.3 U5.6 U6.1 U7.2 U7.17 U7.46 U7.60 U8.3 U9.2 U10.2 U10.15 U11.6 U11.7 U11.12 U11.21 U11.24 U11.25 U11.35 U11.36 U11.37 U11.38 U11.43 U11.45 U11.46 U11.47 U11.48 U11.49 U11.50 U11.51 U11.52 U11.54 U11.57 U11.58 U11.59 U11.65 U12.3 U13.3 U14.11 U15.3 U16.11 U17.1 U17.4 | length 6578.7
  Top Layer w10: v1(335.27,3608) 377.18,3608 R17.2@381.18,3604 ; v1(358,3526) 397.63,3526 C36.1@398.63,3525 ; v1(810.44,3295) 896.04,3295 C47.2@897.22,3296.18 ; C33.2@835.4,3574.69 838,3577.28 v1(838,3615) ; v1(959.79,3525.72) 960.1,3526.03 960.1,3574.38 U8.3@960.4,3574.69 ; v1(1064.22,3398) 1067.64,3398 1076.92,3388.72 1124.25,3388.72 U7.2@1124.6,3388.37 ; v1(1068,3615) 1068,3577.09 C34.2@1070.4,3574.69 ; U11.43@1126.09,2053.21 1301.29,2053.21 v4(1350.5,2102.43) ; U11.38@1126.09,2151.64 1127,2152.54 1160.62,2152.54 1169.4,2161.32 ; U11.37@1126.09,2171.32 1127,2172.23 1160.41,2172.23 1170.05,2181.86 v1(1176,2181.86) ; v1(1158,3045) 1190.69,3045 U7.17@1191.53,3045.84 ; v1(1182.45,2850.76) 1182.45,2890.08 C42.1@1183,2890.63 ; U7.60@1270.27,3474.98 1270.61,3474.64 1270.61,3392.83 v1(1271.59,3391.85) ; v1(1283.47,1805.37) 1287.68,1809.58 1287.68,1819.88 1301.29,1833.49 U11.54@1301.29,1878.02 ; U11.25@1340.66,2326.84 1340.66,2303.21 1350.79,2293.08 v1@1350.79,2283.21 ; v1(1350.37,2278.9) 1350.37,2280.33 1360.35,2290.3 U11.24@1360.35,2326.84 ; U11.57@1360.35,1878.02 U11.58@1380.03,1878.02 ; v1(1369.04,1833.81) 1373.25,1838.02 1373.25,1847.62 1380.03,1854.39 U11.58@1380.03,1878.02 ; U11.59@1399.72,1878.02 U11.58@1380.03,1878.02 ; v1(1419,2406) 1419,2400.05 1412.06,2393.1 1412.06,2390.99 1419.4,2383.65 U11.21@1419.4,2326.84 ; v1(1503.39,2171) 1503.5,2171.16 1564.84,2171.16 1565,2171.32 U11.12@1574.91,2171.32 ; v1(1525.91,2063.02) v1@1531.87,2063.02 ; C13.2@1543,213.81 v1(1543,255) ; U7.46@1553.73,3368.68 1554.08,3368.34 1600.71,3368.34 1610.68,3358.37 v1(1613.56,3358.37) ; U11.6@1574.91,2053.21 1574.01,2054.12 1540.76,2054.12 v1@1531.87,2063.02 ; U11.7@1574.91,2072.9 1574.01,2071.99 1540.84,2071.99 v1@1531.87,2063.02 ; 2890.24,3331.43 2890.24,3498 v2(2900.24,3508)
  Top Layer w20: C11.2@73,900 74,899 74,861 v1(75,860) ; v1(255,710) 255.5,710.5 255.5,761.14 U4.3@256,761.64 ; U4.6@256,966.36 256.69,967.06 256.69,1023.69 v1(258,1025) ; v1(297,3676) 297.58,3676.58 297.58,3706.85 297.74,3707.01 J7.5@298.16,3707.01 ; C8.2@535,2113.37 v1(535,2154) ; v1(553.38,306.63) 554.19,305.81 554.19,270.18 C26.2@555,269.37 ; v1(561,2212) 561,2209.55 U1.1@630,2209.55 ; v1(943,2895) Q2.2@943,2929.8 ; v1(943,3030) Q1.2@943,3059.8 ; U12.3@950.66,580.94 v1(950.66,639.31) ; C19.2@953,154.69 v1(953,203.69) ; v1(964.65,1200.44) 966.95,1198.15 966.95,1162.99 975.66,1154.28 U14.11@975.66,1135.58 ; v1(973,2000) 974,2001 974,2039.26 C102.2@975,2040.26 ; v1(983.44,477.23) 985.74,479.53 1022.25,479.53 C79.2@1029.66,486.94 ; C12.2@1043,213.81 v1(1043,250) ; v1(1346.17,4280) 1346.38,4279.79 1346.38,4204.39 ARM_JTAG.9@1346.59,4204.18 ; ARM_JTAG.5@1446.59,4204.18 ARM_JTAG.3@1496.59,4204.18 1495.38,4205.39 1495.38,4278.79 v1(1494.17,4280) ; C18.2@1455,164.37 v1(1455,209.05) ; C44.2@1499.6,2779.63 1553,2779.63 v1(1553,2780) 1609.6,2780 C39.2@1609.6,2779.63 ; v1(1613.63,4270.63) 1613.94,4270.94 1659.48,4270.94 C31.2@1659.8,4271.26 ; v1(1653,3665) D2.1@1653,3730.63 ; v1(1680.31,3220) R21.1@1714.37,3220 ; C14.1@1877.79,2902.35 v1(1918.42,2902.35) ; C82.2@1890.63,785 v1(1890.63,834) ; U13.3@1928.66,577.57 1928.74,577.66 v1(1928.74,626.4) ; v1(1943.74,470.4) 1989.48,470.4 C80.2@1998.66,479.57 ; C17.2@1953,165.68 v1(1953,205) ; U16.11@1953.66,1132.21 1954.35,1132.82 1954.35,1155.9 1957.65,1159.19 v1(1957.65,1162.44) ; v1(2045.11,4078.38) 2046.8,4076.69 2081.31,4076.69 2083,4075 C25.2@2093.63,4075 ; v1(2051.17,3535.68) 2053.46,3533.38 2095.25,3533.38 C22.2@2098.63,3530 ; C21.2@2172.8,3596.68 U5.3@2271.65,3596.68 v1(2347.8,3596.68) ; U17.1@2215,1628.7 v1(2215,1680) ; U17.4@2365,1628.7 v1(2365,1675.63) ; v1(2443,3990) 2443.22,3990.22 2514.78,3990.22 U6.1@2515,3990.45 ; C23.2@2512.17,3416.68 2513.83,3418.34 2551.34,3418.34 v1(2553,3420) ; C24.2@2643.09,4241 2644.09,4242 2718,4242 2722,4238 v1(2725.24,4238) ; v1(2723,2155) R82.1@2723,2195.63 ; R81.1@2723,2459.37 v1(2723,2500) ; R27.1@2733,1019.37 v1(2733,1060) ; v1(2738,709) R28.1@2738,755.63 ; v1(2773,2225) U3.15@2835.32,2225 ; v1(2778,785) U10.15@2835.32,785 ; C55.1@3180.09,2900 v1(3223,2900) ; C103.1@3185.09,1460 v1(3228,1460)
  Top Layer w30: v1(565,1295) 565.38,1294.62 610.89,1294.62 R40.1@612.74,1292.77 ; C81.2@911.29,790.31 916.66,795.68 v1(916.66,844.31) ; U15.3@1059.31,1808.91 1059.31,1808.74 1062.5,1805.55 1106.52,1805.55 1107.22,1804.85 1167.59,1804.85 C85.2@1167.91,1804.54 ; C87.2@1099.37,1659 1100.37,1658 v1(1150.75,1658) ; R49.1@1302.74,1292.77 1302.91,1292.6 1358.49,1292.6 v1(1358.65,1292.44) ; v1(1514.97,1292.77) R58.1@1568.74,1292.77 ; R59.1@1772.54,1295.31 R59.1@1772.76,1295.53 ; v1(2050,1725) C27.1@2050,1765.63 ; v1(2125,1725) C28.1@2125,1765.63 ; R67.1@2266.62,1294.77 2268.28,1293.1 2313.77,1293.1 v1(2314.11,1293.44) ; R85.1@2349.37,1545 v1(2385,1545) ; 2900.24,3793.75 2913,3806.5 2913,3921.57 2900.99,3933.58 2900.99,4002.25 U2.4@2900.24,4003 ; U3.2@3182.7,2225 v1(3263,2225) U3.2@3200.68,2225 3164.72,2225 3113.79,2174.07 3113.79,2149.21 3446.33,1816.67 Q6.3@3591.6,1816.67 ; v1(3265,785) 3264.46,785 3263.73,784.27 3201.41,784.27 U10.2@3200.68,785 3199.21,783.54 3148.54,783.54 3110,745 3110,680 3440,350 3500,350 ; C20.2@5297.09,4130 v1(5350,4130)
  other v1: 3533,290 3573,290 3613,290 3653,290 3498,330 3685.21,330 3498,370 3685.21,370 3530.21,410 3570.21,410 3610.21,410 3650.21,410 855.66,1281.2 957.29,1281.2 1061.66,1281.2 2020.65,1292.44 1822.65,1294.44 1925.65,1295.44 3533,1756.67 3573,1756.67 3613,1756.67 3653,1756.67 3498,1796.67 3685.21,1796.67 1106.91,1805.16 3498,1836.67 3685.21,1836.67 3530.21,1876.67 3570.21,1876.67 3610.21,1876.67 3650.21,1876.67 1171.37,1878.02 1180,1979 1838.42,3106.91 2529,3502 2478,3503 2434,3541 2432,3597 2430,3653 2479,3689 2530,3689 2725.24,4318 2775.24,4318 2825.24,4318 2725.24,4418 2775.24,4418 2825.24,4418
  other v2: 2825.24,3508 2975.24,3508 2825.24,3578 2900.24,3578 2975.24,3578 2825.24,3648 2900.24,3648 2975.24,3648 2825.24,3718 2900.24,3718 2975.24,3718
  other v4: 1232.5,1984.43 1350.5,1984.43 1468.5,1984.43 1232.5,2102.43 1468.5,2102.43 1232.5,2220.43 1350.5,2220.43 1468.5,2220.43
  other v5: 3415.24,3983 3415.24,4038 3415.24,4088
DAC1: J8.4 U7.63 | length 1066.7
  Top Layer w10: J8.4@283,3325 288,3320 528,3320 623,3415 915.39,3415 955.12,3454.74 979.9,3454.74 980.19,3454.44 1015.41,3454.44 1015.71,3454.74 1096.24,3454.74 1126.59,3485.09 1126.59,3498.61 1153.35,3525.37 1198.94,3525.37 1210.86,3513.45 1210.86,3475.33 U7.63@1211.21,3474.98
DRV1_HO: D7.1 R30.1 U10.8 | length 408.3
  Top Layer w30: U10.8@3197.49,1088.19 3170,1088.19 3205.46,1088.19 3205.46,1115.46 D7.1@3284.32,1194.32 ; U10.8@3203.87,1088.19 3238.34,1088.19 3239.59,1089.43 3349.43,1089.43 R30.1@3392.16,1132.16
DRV1_LO: D8.1 R31.1 U10.1 | length 381.5
  Top Layer w30: U10.1@3170,735 U10.1@3200.68,735 U10.1@3221.86,735 ; D8.1@3299.32,625.68 3225.05,699.95 3225.05,731.81 U10.1@3221.86,735 ; R31.1@3392.16,702.84 3386.59,697.27 3379.97,697.27 3342.24,735 U10.1@3221.86,735
DRV1_MID: C52.2 Q3.3 Q4.2 R71.4 U10.6 | length 457
  Top Layer w30: U10.6@3200.68,985 3268.61,985 3279.04,974.57 3384.57,974.57 3510,1100 3574.94,1100 Q3.3@3591.6,1083.33 ; C52.2@3427.09,1030 C52.2@3430,1030
DRV2_HO: D14.1 R83.1 U3.8 | length 391.7
  Top Layer w30: U3.8@3199.12,2526.56 3170,2526.56 U3.8@3208.8,2526.56 ; D14.1@3277.32,2634.32 3210.43,2567.43 3210.43,2528.19 3338.19,2528.19 R83.1@3382.16,2572.16
DRV2_LO: D15.1 R84.1 U3.1 | length 379.7
  Top Layer w30: U3.1@3170,2175 U3.1@3228.24,2175 ; D15.1@3318.88,2075.68 D15.1@3312.32,2075.68 3312.32,2090.91 U3.1@3228.24,2175 ; R84.1@3400.16,2157.84 3398.03,2155.71 3384.33,2155.71 3365.04,2175 U3.1@3228.24,2175
DRV2_MID: C53.2 J9.2 Q5.3 Q6.2 U3.6 | length 479.8
  Top Layer w30: U3.6@3175,2421.81 3256.79,2421.81 3269.04,2409.57 3364.57,2409.57 3500,2545 3586.6,2545 Q5.3@3591.6,2550
  other v1: 4598,585 4638,585 4598,625 4638,625 4598,665 4638,665 4598,705 4638,705 4598,745 4638,745 4598,785 4638,785 4598,825 4638,825 4598,865 4638,865 4598,905 4638,905 4073,1535 4113,1535 4153,1535 4193,1535 4233,1535 4273,1535 4313,1535 4353,1535 4393,1535 4433,1535 4073,1575 4113,1575 4153,1575 4193,1575 4233,1575 4273,1575 4313,1575 4353,1575 4393,1575 4433,1575
E\R\A\S\E\: ERASE.2 U7.55 | length 871.9
  Top Layer w10: ERASE.2@923,4130 1035.59,4017.41 1090.67,4017.41 1184,3924.07 1184,3902.41 1368.69,3717.72 U7.55@1368.69,3474.98
ETH: C57.2 C58.2 C59.2 C100.1 C101.1 C105.1 J10.1 R25.1 R29.2
  other v1: 5045,985
I1: C76.2 D9.3 J17.2 R43.1 U14.14 | length 1035.8
  Top Layer w10: J17.2@358,1745 288,1675 288,1626.57 492.57,1422 588.12,1326.45 646.1,1326.45 667.55,1305 v1(668,1305) ; v1@667.78,1305.22 667.78,1304.78 673,1299.55 673,1256.73 714.79,1214.94 R43.1@722.66,1214.94 C76.2@722.66,1135.58 ; C76.2@710.02,1132.44 710.02,1135.58 C76.2@722.66,1135.58 ; U14.14@825.66,1135.58 C76.2@722.66,1135.58
  Bottom Layer w10: D9.3@668,1245.63 v1(668,1305)
I2: C84.2 D10.3 J18.2 R52.1 U14.8 | length 1650.4
  Top Layer w10: J18.2@483,1745 426.53,1688.53 339.97,1688.53 314.47,1663.03 314.47,1626.97 339.97,1601.47 341.53,1601.47 502,1441 592,1441 1112.39,1441 1242.19,1311.2 1242.19,1283.9 1242.19,1256.59 1200.54,1214.94 R52.1@1192.66,1214.94 1183,1205.28 1183,1135.58 ; U14.8@1125.66,1135.58 1183,1135.58 ; C84.2@1215.28,1134.44 1214.14,1135.58 1183,1135.58
  Bottom Layer w10: v1(1247.41,1283.9) 1247.7,1283.6 1247.7,1225.93 D10.3@1248,1225.63
I2C_TCLK0: R24.1 U7.36 U9.1 | length 602.6
  Top Layer w10: U7.36@1553.73,3171.83 1733.25,3171.83 1756.05,3194.64 1756.05,3223.71 1783.14,3250.8 1830.2,3250.8 1875.82,3205.18 U9.1@1875.82,3069.59 1944.78,3069.59 R24.1@1950,3064.37
I2C_TWD0: R23.1 U7.43 U9.3 | length 568.9
  Top Layer w10: U7.43@1553.73,3309.63 1553.99,3309.37 1699.03,3309.37 1708.92,3319.26 v1(1792.78,3319.26) ; R23.1@1730,3064.37 1731.72,3066.09 1795,3066.09 1798.01,3069.1 1798.5,3069.59 U9.3@1801.02,3069.59 ; v1(1795.56,3220.8) 1798.29,3218.07 1798.29,3069.38 U9.3@1798.11,3069.19
  Bottom Layer w10: v1(1792.78,3319.26) 1794.17,3317.87 1794.17,3222.19 v1(1795.56,3220.8)
I3: C90.2 D11.3 J19.2 R61.1 U16.14 | length 1617.7
  Top Layer w10: J19.2@608,1745 654.68,1698.33 772.12,1698.33 v1(823,1647.44) ; v1(823,1530) 828,1530 898,1460 1120.26,1460 1250.26,1330 1428,1330 1498,1260 1534.47,1260 1535.39,1259.08 1621.72,1259.08 v1(1623.59,1260.95) ; v1@1624.71,1260.79 1625.02,1260.79 1671.79,1214.03 R61.1@1679.66,1214.03 1679.66,1139.8 C90.2@1685.02,1134.44 1687.25,1132.21 U16.14@1803.66,1132.21
  Bottom Layer w10: v1(823,1530) v1(823,1647.44) ; D11.3@1623,1205.63 1623.3,1205.93 1623.3,1260.65 v1(1623.59,1260.95)